# Altium PCB Proyecto0.PcbDoc (part 1 of 5) (continued)
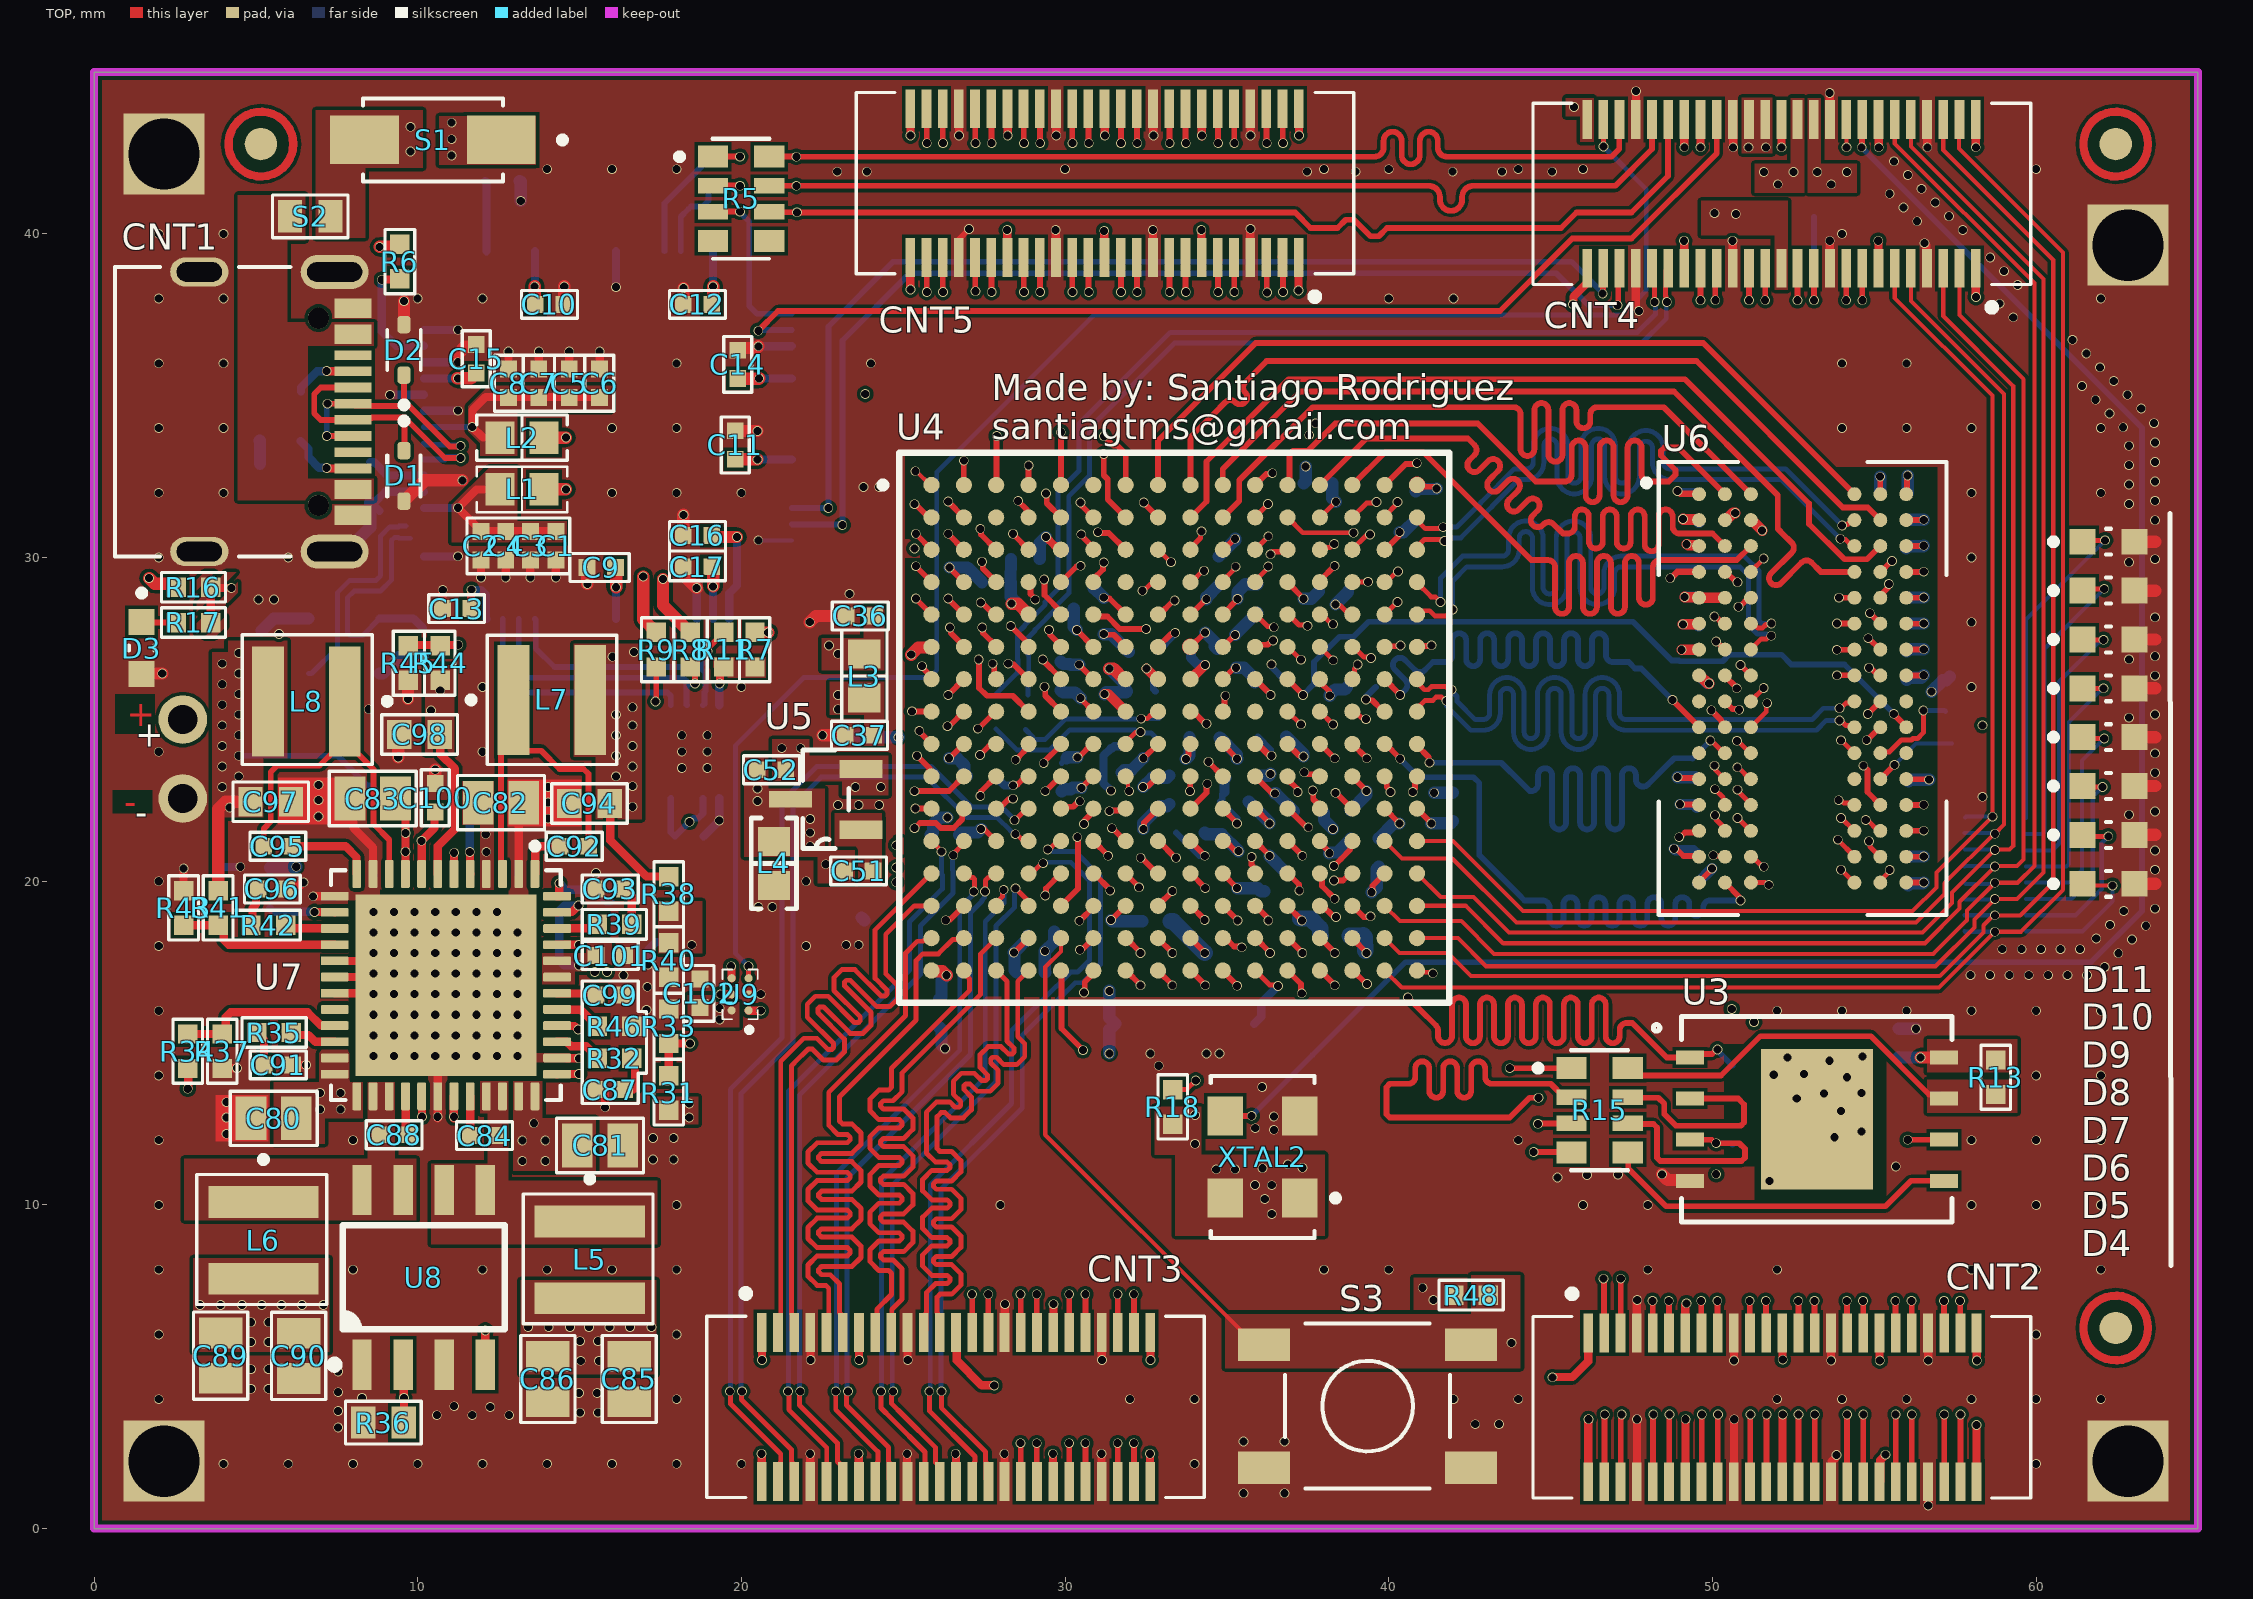
[diagram p0: TOP view]
## Footprints (in the part's own frame and the unit in brackets; to place one, negate y for a bottom-side part, rotate by r counter-clockwise, add the part's x,y. Pads: shape width x height; smd on the part's side, far side on the other; paste and mask are expansions set on the pad) (continued)
  silkscreen extent -1.16,-0.54 0.77,0.55, body extent -0.75,-0.5 0.75,0.5, height 0.54
"USB-C 2.0 24 PINS (16+8 DUMMY)" [mm]
  rect 0.6x1.14 smd: A1_B12(-3.2,4.75) A4_B9(-2.4,4.75) B1_A12(3.2,4.75) B4_A9(2.4,4.75)
  rect 0.3x1.14 smd: A5(-1.25,4.75) A6(-0.25,4.75) A7(0.25,4.75) A8(1.25,4.75) B5(1.75,4.75) B6(0.75,4.75) B7(-0.75,4.75) B8(-1.75,4.75)
  oval 1.05x2.1 hole 0.6 slot 1.7 at 90 deg: SH1(-4.32,4.18) SH2(4.32,4.18)
  oval 0.9x1.8 hole 0.6 slot 1.4 at 90 deg: SH3(-4.32,0) SH4(4.32,0)
  round 0.65 hole 0.65 unplated: ""(-2.89,3.68) ""(2.89,3.68)
  silkscreen extent -4.47,-2.6 4.47,2.81, body extent -4.44,-2.57 4.5,5.03, height 3.25
WSON-8 [mil]
  rect 34x17 smd paste+0 mask+0: 1(-154.5,75) 2(-154.5,25) 3(-154.5,-25) 4(-154.5,-75) 5(154.5,-75) 6(154.5,-25) 7(154.5,25) 8(154.5,75)
  rect 136x171 smd paste+0 mask+0: 9(0,0)
  silkscreen extent -199,-125 164,125, body extent -158,-118 158,118, height 30
XTAL_ABM8G [mm] "XTAL"
  rect 1.4x1.2 smd: 1(-1.1,0.85) 2(-1.1,-0.85) 2(1.1,0.85) 3(1.1,-0.85)
  silkscreen extent -1.2,-1.25 0.08,2.3, body extent -1.63,-1.27 1.57,1.23, height 1
XTAL_ASFLMB [mm]
  rect 1.2x1.1 smd: 1(1.27,1.15) 2(-1.27,1.15) 3(-1.27,-1.15) 4(1.27,-1.15)
  silkscreen extent -2.5,-1.6 2.5,2.35, body extent -2.47,-1.57 2.53,1.63, height 0.86

## Part data
C1 C2 C5 C6 C13 C20 C22 C23 C24 C28 C29 C30 C31 C37 C39 C40 C41 C42 C46 C47 C48 C55 C56 C57 C61 C63 C64 C65 C69 C70 C71 C72 C73 C74 C75 C76 C77: library part C0402C474K8RAC, "CAP CER 0.47uF 10V X7R 0402 10%", Manufacturer=Kemet, PartNumber=C0603C474K4RAC, Tolerance=10%, Voltage="10 V", ComponentLink1Description=DataSheet, ComponentLink1URL=https://content.kemet.com/datasheets/KEM_C1002_X7R_SMD.pdf, ComponentLink2Description=DigiKey, ComponentLink2URL=https://www.digikey.com/en/products/filter/ceramic-capacitors/60?s=N4IgTCBcDaIMIAYAsCxyQdiQaQBwCUBBOEAXQF8g, ComponentLink3Description=ProductPage, ComponentLink3URL=https://www.kemet.com/en/us/product/C0805C474K4RACTU.html, Size=0402
C3 C4 C7 C8 C25 C26 C32 C33 C36 C43 C44 C49 C58 C59 C66 C67: library part C0402C475M9PAC, "CAP CER 4.7uF 6.3V X5R 0402 10%", Manufacturer=Kemet, Tolerance=10%, Voltage=16V, ComponentLink1Description=DataSheet, ComponentLink1URL=https://content.kemet.com/datasheets/KEM_C1002_X7R_SMD.pdf, ComponentLink2Description=DigiKey, ComponentLink2URL=https://www.digikey.com/en/products/filter/ceramic-capacitors/60?s=N4IgTCBcDaIMIAYAsCxyQdgKwFsCcADgIYDGIAugL5A, ComponentLink3Description=ProdructPage, ComponentLink3URL=https://www.kemet.com/en/us/search.html?q=C0402C475M9PAC, PartNumber=C0402C475M9PAC, Size=0402
C9 C10 C11 C12 C14 C15 C17 C21 C38 C51 C53 C84 C88 C92 C95 C102: library part C0402C104K4RAC, "CAP CER 0.1uF 16V X7R 0402 10%", Manufacturer=Kemet, Tolerance=10%, Voltage=16V, ComponentLink1Description=DataSheet, ComponentLink1URL=https://content.kemet.com/datasheets/KEM_C1002_X7R_SMD.pdf, ComponentLink2Description=DigiKey, ComponentLink2URL=https://www.digikey.com/en/products/filter/ceramic-capacitors/60?s=N4IgTCBcDaIMIAYAsCxwIzINJIEoEE4QBdAXyA, PartNumber=C0402C104K4RAC, Size=0402
C16: library part C0402C332K5RAC, "CAP CER 3.3nF 50V X7R 0402 10%", Manufacturer=Kemet, Tolerance=10%, Voltage=50V, ComponentLink1Description=DataSheet, ComponentLink1URL=https://content.kemet.com/datasheets/KEM_C1002_X7R_SMD.pdf, ComponentLink2Description=DigiKey, ComponentLink2URL=https://www.digikey.com/en/products/filter/ceramic-capacitors/60?s=N4IgTCBcDaIMIAYAsCxwMzrAaQKwCUBBOEAXQF8g, PartNumber=C0402C332K5RAC, Size=0402
C18 C19: library part C0402C270K5RAC, "CAP CER 27pF 50V X7R 0402 10%", Manufacturer=Kemet, Tolerance=10%, Voltage=50V, ComponentLink1Description=DataSheet, ComponentLink1URL=https://content.kemet.com/datasheets/KEM_C1002_X7R_SMD.pdf, ComponentLink2Description=DigiKey, ComponentLink2URL=https://www.digikey.com/en/products/detail/kemet/C0402C270K5RACTU/18167653?s=N4IgTCBcDaIMIAYAsCxzAdgQaQKwCUBBOEAXQF8g, PartNumber=C0402C270K5RAC, Size=0402
C27 C34 C35 C45 C50 C62 C68 C85 C86 C89 C90: library part CL21A476MQYNNNE, "CAP CER 47uF 6.3V X5R 0805 20%", Manufacturer=Samsung, Tolerance=20%, Voltage=6.3V, ComponentLink1Description=DataSheet, ComponentLink1URL=https://mm.digikey.com/Volume0/opasdata/d220001/medias/docus/658/CL21A476MQYNNNE_Spec.pdf, ComponentLink2Description=DigiKey, ComponentLink2URL=https://www.digikey.com/en/products/detail/samsung-electro-mechanics/CL21A476MQYNNNE/3887510, PartNumber=CL21A476MQYNNNE, Size=0805
C52: library part C0402C106M9PAC, "CAP CER 10uF 6.3V X5R 0402 10%", Manufacturer=Kemet, Tolerance=10%, Voltage=6.3V, ComponentLink1Description=DataSheet, ComponentLink1URL=https://content.kemet.com/datasheets/KEM_C1006_X5R_SMD.pdf, ComponentLink2Description=DigiKey, ComponentLink2URL=https://www.digikey.com/en/products/filter/ceramic-capacitors/60?s=N4IgTCBcDaIMIAYAsCxwIwIGwFkCcACgIJwgC6AvkA, PartNumber=C0402C106M9PAC, Size=0402
C54: library part C0402C102K4RAC, "CAP CER 1nF 16V X7R 0402 10%", Manufacturer=Kemet, Tolerance=10%, Voltage=16V, ComponentLink1Description=DataSheet, ComponentLink1URL=https://content.kemet.com/datasheets/KEM_C1002_X7R_SMD.pdf, ComponentLink2Description=DigiKey, ComponentLink2URL=https://www.digikey.com/en/products/filter/ceramic-capacitors/60?s=N4IgTCBcDaIMIAYAsCxwIyoNJIEoEE4QBdAXyA, PartNumber=C0402C102K4RAC, Size=0402
C60: library part C1206C107M9PAC, "CAP CER 100uF 6.3V X5R 1206 20%", Manufacturer=Kemet, Tolerance=20%, Voltage=6.3V, ComponentLink1Description=DataSheet, ComponentLink1URL=https://www.digikey.com/en/products/detail/kemet/C1206C107M9PAC7210/12700784, ComponentLink2Description=DigiKey, ComponentLink2URL=https://www.digikey.com/en/products/detail/kemet/C1206C107M9PAC7210/12700784, PartNumber=C1206C107M9PAC, Size=1206
C78 C99 C100 C101: library part C0402C105K4RAC, "CAP CER 1uF 16V X7R 0402 10%", Manufacturer=Kemet, Tolerance=10%, Voltage=16V, ComponentLink1Description=DataSheet, ComponentLink1URL=https://content.kemet.com/datasheets/KEM_C1002_X7R_SMD.pdf, ComponentLink2Description=DigiKey, ComponentLink2URL=https://www.digikey.com/en/products/detail/kemet/C0402C105K4RAC7867/22058709?s=N4IgTCBcDaIMIAYAsCxwIwIKwGkkCUBBOEAXQF8g, PartNumber=C0402C105K4RAC, Size=0402
C79: library part C0402C103K4RAC, "CAP CER 10nF 16V X7R 0402 10%", Manufacturer=Kemet, Tolerance=10%, Voltage=16V, ComponentLink1Description=DataSheet, ComponentLink1URL=https://content.kemet.com/datasheets/KEM_C1002_X7R_SMD.pdf, ComponentLink2Description=DigiKey, ComponentLink2URL=https://www.digikey.com/en/products/filter/ceramic-capacitors/60?s=N4IgTCBcDaIMIAYAsCxwIwIMwGkkCUBBOEAXQF8g, PartNumber=C0402C103K4RAC, Size=0402
C80 C81 C82 C83: library part C0805C106M3PACTU, "CAP CER 10UF 25V X5R 0805 10%", Manufacturer=Kemet, Tolerance=10%, Voltage=25V, ComponentLink1Description=DataSheet, ComponentLink1URL=https://content.kemet.com/datasheets/KEM_C1006_X5R_SMD.pdf, ComponentLink2Description=DigiKey, ComponentLink2URL=https://www.digikey.com/en/products/detail/kemet/C0805C106M3PACTU/5267534, PartNumber=C0805C106M3PACTU, Size=0805
C87 C91 C93 C96: library part C0402C272K5RAC, "CAP CER 2.7nF 50V X7R 0402 10%", Manufacturer=Kemet, Tolerance=10%, Voltage=50V, ComponentLink1Description=DataSheet, ComponentLink1URL=https://content.kemet.com/datasheets/KEM_C1002_X7R_SMD.pdf, ComponentLink2Description=DigiKey, ComponentLink2URL=https://www.digikey.com/en/products/filter/ceramic-capacitors/60?s=N4IgTCBcDaIMIAYAsCxzAdjAaQKwCUBBOEAXQF8g, PartNumber=C0402C272K5RAC, Size=0402
C94 C97: library part GRM188R60J226MEA0D, "CAP CER 22UF 6.3V X5R 0603", Manufacturer=Murata, Voltage=6.3V, ComponentLink1Description=DataSheet, ComponentLink1URL=https://search.murata.co.jp/Ceramy/image/img/A01X/G101/ENG/GRM188R60J226MEA0-01.pdf, ComponentLink2Description=DigiKey, ComponentLink2URL=https://www.digikey.com/en/products/detail/murata-electronics/GRM188R60J226MEA0D/4280542, PartNumber=GRM188R60J226MEA0D, Size=0603
C98: library part C0603C106M9PAC, "CAP CER 10uF 6.3V X5R 0603 10%", Manufacturer=Kemet, Tolerance=10%, Voltage=6.3V, ComponentLink1Description=DataSheet, ComponentLink1URL=https://content.kemet.com/datasheets/KEM_C1006_X5R_SMD.pdf, ComponentLink2Description=DigiKey, ComponentLink2URL=https://www.digikey.com/en/products/detail/kemet/C0603C106M9PAC7867/1950664, PartNumber=C0603C106M9PAC, Size=0603
CNT1: "CONN USB2.0, TYP C, 24 PINS (16+8 DUMMY), SMD, RIGHT ANGLE", Manufacturer=Amphenol, PartNumber=12402012E212A, ComponentLink1Description=DigiKey, ComponentLink1URL=https://www.digikey.com/en/products/detail/amphenol-cs-commercial-products/12402012E212A/13683192, ComponentLink2Description=DataSheet, ComponentLink2URL=https://mm.digikey.com/Volume0/opasdata/d220001/medias/docus/2614/C12402012-4.pdf, Pins="24 (16+8 DUMMY)", Type="C 2.0"
CNT2 CNT3 CNT4 CNT5: "CONN RCPT 50POS SMD GOLD", Manufacturer=Molex, PartNumber=0528850574, ComponentLink1Description=DigiKey, ComponentLink1URL=https://www.digikey.com/es/products/detail/molex/0528850574/3197085?s=N4IgTCBcDaIAQFYwA5kIAwIOwBYQF0BfIA, ComponentLink2Description=DataSheet, ComponentLink2URL=https://www.molex.com/en-us/products/part-detail/528850574?display=pdf, Gender=Female, PinCount=50
D1 D2: "0.9pF 3.6V ±30kV ESD protection diode with 6.8V 16A TLP clamping for USB 2.0", Manufacturer="Texas Instruments", Package=SOD-523, ComponentLink1Description=ProductPage, ComponentLink1URL=https://www.ti.com/product/ESD321, ComponentLink2Description=DataSheet, ComponentLink2URL=https://www.ti.com/lit/ds/symlink/esd321.pdf?ts=1717079562669&ref_url=https%253A%252F%252Fwww.ti.com%252Fproduct%252FESD321%253FkeyMatch%253DESD321%2526tisearch%253Dsearch-everything%2526usecase%253DGPN-ALT, ComponentLink3Description=DigyKey, ComponentLink3URL=https://www.digikey.com/en/products/detail/texas-instruments/ESD321DYAR/17394968, PartNumber=ESD321
D3 D4 D5 D6 D7 D8 D9 D10 D11: library part LED_BLUE_0603, "LED blue diffused 0603 SMD", Colour=Blue, Manufacturer="Würth Elektronik", PartNumber=150060BS55040, ComponentLink1Description=DataSheet, ComponentLink1URL=https://www.we-online.com/components/products/datasheet/150060BS55040.pdf, ComponentLink2Description=DigiKey, ComponentLink2URL=https://www.digikey.com/es/products/detail/w%C3%BCrth-elektronik/150060BS55040/8557178?s=N4IgTCBcDaIDoBcCMBWADGgbGgQgZRXQBY0QBdAXyA, Size=0603
L1 L2 L3 L4: "FERRITE BEAD, 650 OHM, 0603, 1LN, 0603", Current="300 mA", Manufacturer="Laird-Signal Integrity Products", ComponentLink1Description=DataSheet, ComponentLink1URL=https://www.laird.com/sites/default/files/hz0603c651r-10-datasheet.pdf, ComponentLink2Description=DigiKey, ComponentLink2URL=https://www.digikey.com/es/products/detail/laird-signal-integrity-products/HZ0603C651R-10/806620?s=N4IgTCBcDaIBIC0AMA2JBmAwigrARgCUBaPJEAXQF8g, DCR="0.6 Ohm", PartNumber=HZ0603C651R-10, Size=0603, Z@100MHz="650 Ohms"
L5 L8: library part XFL4020-332ME, "FIXED IND, 3.3uH, 5.2A, 38.3mOHM, SMD", Manufacturer=Coilcraft, ComponentLink1Description=DigiKey, ComponentLink1URL=https://www.digikey.com/en/products/detail/coilcraft/XFL4020-332MEC/21381630?s=N4IgTCBcDaIBoDEAyAWADGNBaAzDiAugL5A, ComponentLink2Description=DataSheet, ComponentLink2URL=https://www.coilcraft.com/getmedia/50632d43-da1b-4cdb-8ab4-3029cab51df3/xfl4020.pdf, PartNumber=XFL4020-332ME, Size=1616
L6: library part XFL4020-152ME, "FIXED IND, 1.5uH, 9.1A, 15.8mOHM, SMD", Manufacturer=Coilcraft, ComponentLink1Description=DigiKey, ComponentLink1URL=https://www.digikey.at/en/products/detail/coilcraft/XFL4020-152MEC/21387736, ComponentLink2Description=DataSheet, ComponentLink2URL=https://www.coilcraft.com/getmedia/50632d43-da1b-4cdb-8ab4-3029cab51df3/xfl4020.pdf, PartNumber=XFL4020-152ME, Size=1616
L7: library part XAL4030-682ME, "FIXED IND, 6.8uH, 3.9A, 74.1mOHM, SMD", Manufacturer=Coilcraft, ComponentLink1Description=DigiKey, ComponentLink1URL=https://www.digikey.com/en/products/detail/coilcraft/XAL4030-682MEC/21381592, ComponentLink2Description=DataSheet, ComponentLink2URL=https://www.coilcraft.com/en-us/files/datasheet/XAL40xx, PartNumber=XAL4030-682ME, Size=1616
R1 R4: library part CRCW06035K10FK, "RES SMD 5.1K OHM 1% 1/10W 0603", Manufacturer=Vishay, Power=0.1W, Tolerance=1%, ComponentLink1Description=DataSheet, ComponentLink1URL=https://www.vishay.com/docs/20035/dcrcwe3.pdf, ComponentLink2Description=DigiKey, ComponentLink2URL=https://www.digikey.com/es/products/detail/vishay-dale/crcw06035k10fkea/1174748, PartNumber=CRCW06035K10FK, Size=0603
R2 R12 R13 R14 R18 R19: library part CRCW04024K70FK, "RES SMD 4.7K OHM 1% 0.063W 0402", Manufacturer=Vishay, Power="0.063 W", Tolerance=1%, ComponentLink1Description=DataSheet, ComponentLink1URL=https://www.vishay.com/docs/20035/dcrcwe3.pdf, ComponentLink2Description=DigiKey, ComponentLink2URL=https://www.digikey.com/es/products/filter/resistor-de-chip-montaje-en-superficie/52?s=N4IgTCBcDaIMICU4HUAMAWVZ0GkDsqAYjiALoC%20QA, PartNumber=CRCW04024K70FK, Size=0402
R3 R6 R7 R8 R9 R35 R37 R39 R42 R43 R48: library part CRCW040210K0FK, "RES SMD 10K OHM 1% 0.063W 0402", Manufacturer=Vishay, Power=0.063W, Tolerance=1%, ComponentLink1Description=DataSheet, ComponentLink1URL=https://www.vishay.com/docs/20035/dcrcwe3.pdf, ComponentLink2Description=DigiKey, ComponentLink2URL=https://www.digikey.com/en/products/filter/chip-resistor-surface-mount/52?s=N4IgTCBcDaIMICU4HUAMAWVYCMqDSqAYniALoC%20QA, PartNumber=CRCW040210K0FK, Size=0402
R5 R15: library part EXB-38V101JV, "RES ARRAY 4 RES 100 OHM 1206", Manufacturer=Panasonic, ComponentLink1Description=DigiKey, ComponentLink1URL=https://www.digikey.com/en/products/detail/panasonic-electronic-components/EXB-38V101JV/256519?s=N4IgTCBcDaIKIA0BCBaAzADgGoEYAMOAUliALoC%2BQA, ComponentLink2Description=DataSheet, ComponentLink2URL=https://industrial.panasonic.com/cdbs/www-data/pdf/AOC0000/AOC0000C14.pdf, Elements=4, PartNumber=EXB-38V101JV, Size=1206
R10: library part CRCW060312K0FK, "RES SMD 12K OHM 1% 1/10W 0603", Manufacturer=Vishay, Power=0.1W, Tolerance=1%, ComponentLink1Description=DataSheet, ComponentLink1URL=https://www.vishay.com/docs/20035/dcrcwe3.pdf, ComponentLink2Description=DigiKey, ComponentLink2URL=https://www.digikey.com/en/products/detail/vishay-dale/CRCW060312K0FKEA/1174790, PartNumber=CRCW060312K0FK, Size=0603
R11: library part CRCW04022K00FK, "RES SMD 2K OHM 1% 0.063W 0402", Manufacturer=Vishay, Power=0.063W, Tolerance=1%, ComponentLink1Description=DataSheet, ComponentLink1URL=https://www.vishay.com/docs/20035/dcrcwe3.pdf, ComponentLink2Description=DigiKey, ComponentLink2URL=https://www.digikey.com/en/products/filter/chip-resistor-surface-mount/52?s=N4IgTCBcDaIMYCc4HcAMAWVYwGtWoDMcQBdAXyA, PartNumber=CRCW04022K00FK, Size=0402
R16: library part CRCW0402200RFK, "RES SMD 200 OHM 1% 0.063W 0402", Manufacturer=Vishay, Power=0.063W, Tolerance=1%, ComponentLink1Description=DataSheet, ComponentLink1URL=https://www.vishay.com/docs/20035/dcrcwe3.pdf, ComponentLink2Description=DigiKey, ComponentLink2URL=https://www.digikey.com/es/products/filter/resistor-de-chip-montaje-en-superficie/52?s=N4IgTCBcDaIMICU4HUAMAWVYytQgYgNIgC6AvkA, PartNumber=CRCW0402200RFK, Size=0402
R17: library part CRCW0402165RFK, "RES SMD 165 OHM 1% 0.063W 0402", Manufacturer=Vishay, Power=0.063W, Tolerance=1%, ComponentLink1Description=DataSheet, ComponentLink1URL=https://www.vishay.com/docs/20035/dcrcwe3.pdf, ComponentLink2Description=DigiKey, ComponentLink2URL=https://www.digikey.com/es/products/filter/resistor-de-chip-montaje-en-superficie/52?s=N4IgTCBcDaIMICU4HUAMAWVYCMA2ArAgGIDSIAugL5A, PartNumber=CRCW0402165RFK, Size=0402
R20 R21: library part CRCW040278R7FK, "RES SMD 78.7 OHM 1% 0.063W 0402", Manufacturer=Vishay, Power=0.063W, Tolerance=1%, ComponentLink1Description=DataSheet, ComponentLink1URL=https://www.vishay.com/docs/20035/dcrcwe3.pdf, ComponentLink2Description=DigiKey, ComponentLink2URL=https://www.digikey.com/en/products/filter/chip-resistor-surface-mount/52?s=N4IgTCBcDaIMICU4HUAMAWVYDsAOB2AYgNIgC6AvkA, PartNumber=CRCW040278R7FK, Size=0402
R22 R23: library part CRCW04021K00FK, "RES SMD 1K OHM 1% 0.063W 0402", Manufacturer=Vishay, Power=0.063W, Tolerance=1%, ComponentLink1Description=DigiKey, ComponentLink1URL=https://www.digikey.com/en/products/filter/chip-resistor-surface-mount/52?s=N4IgTCBcDaIMICU4HUAMAWVYCMBpVqAYriALoC%20QA, ComponentLink2Description=DataSheet, ComponentLink2URL=https://www.vishay.com/docs/20035/dcrcwe3.pdf, PartNumber=CRCW04021K00FK, Size=0402
R24: library part CRCW0402240RFK, "RES SMD 240 OHM 1% 1/10W 0402", Manufacturer=Vishay, PartNumber=CRCW0402240RFKEA, Power=0.063W, Tolerance=1%, ComponentLink1Description=DataSheet, ComponentLink1URL=https://www.vishay.com/docs/20035/dcrcwe3.pdf, ComponentLink2Description=DigiKey, ComponentLink2URL=https://www.digikey.com/en/products/detail/vishay-dale/CRCW0603240RFKEA/1174595, Size=0402
R25: library part CRCW06036K65FK, "RES SMD 6.65K OHM 1% 1/10W 0603", Manufacturer=Vishay, Power=0.1W, Tolerance=1%, ComponentLink1Description=DataSheet, ComponentLink1URL=https://www.vishay.com/docs/20035/dcrcwe3.pdf, ComponentLink2Description=DigiKey, ComponentLink2URL=https://www.digikey.com/en/products/detail/vishay-dale/CRCW06036K65FKEA/1174762, PartNumber=CRCW06036K65FK, Size=0603
R26: library part CRCW06031K00FK, "RES SMD 1K OHM 1% 1/10W 0603", Manufacturer=Vishay, Power=0.1W, Tolerance=1%, ComponentLink1Description=DigiKey, ComponentLink1URL=https://www.digikey.com/es/products/detail/vishay-dale/CRCW06031K00FKEA/1174668, ComponentLink2Description=DataSheet, ComponentLink2URL=https://www.vishay.com/docs/20035/dcrcwe3.pdf, PartNumber=CRCW06031K00FK, Size=0603
R27: library part CRCW06039K31FK, "RES SMD 9.31K OHM 1% 1/10W 0603", Manufacturer=Vishay, Power=0.1W, Tolerance=1%, ComponentLink1Description=DataSheet, ComponentLink1URL=https://www.vishay.com/docs/20035/dcrcwe3.pdf, ComponentLink2Description=DigiKey, ComponentLink2URL=https://www.digikey.com/es/products/detail/vishay-dale/CRCW06039K31FKEA/1174779, PartNumber=CRCW06039K31FK, Size=0603
R28: library part CRCW060312K7FK, "RES SMD 12.7K OHM 1% 1/10W 0603", Manufacturer=Vishay, Power=0.1W, Tolerance=1%, ComponentLink1Description=DataSheet, ComponentLink1URL=https://www.vishay.com/docs/20035/dcrcwe3.pdf, ComponentLink2Description=DigiKey, ComponentLink2URL=https://www.digikey.com/en/products/detail/vishay-dale/CRCW060312K7FKEA/1174793, PartNumber=CRCW060312K7FK, Size=0603
R29 R30: library part CRCW060310K0FK, "RES SMD 10K OHM 1% 1/10W 0603", Manufacturer=Vishay, Power=0.1W, Tolerance=1%, ComponentLink1Description=DataSheet, ComponentLink1URL=https://www.vishay.com/docs/20035/dcrcwe3.pdf, ComponentLink2Description=DigiKey, ComponentLink2URL=https://www.digikey.com/en/products/detail/vishay-dale/CRCW060310K0FKEA/1174782, PartNumber=CRCW060310K0FK, Size=0603
R31 R46: library part CRCW040231K6FK, "RES SMD 31.6K OHM 1% 0.063W 0402", Manufacturer=Vishay, Power=0.063W, Tolerance=1%, ComponentLink1Description=DataSheet, ComponentLink1URL=https://www.vishay.com/docs/20035/dcrcwe3.pdf, ComponentLink2Description=DigiKey, ComponentLink2URL=https://www.digikey.com/en/products/filter/chip-resistor-surface-mount/52?s=N4IgTCBcDaIMICU4HUAMAWVYDMBGA0gGwBi%20IAugL5A, PartNumber=CRCW040231K6FK, Size=0402
R32: library part CRCW040215K0FK, "RES SMD 15K OHM 1% 0.063W 0402", Manufacturer=Vishay, Power=0.063W, Tolerance=1%, ComponentLink1Description=DataSheet, ComponentLink1URL=https://www.vishay.com/docs/20035/dcrcwe3.pdf, ComponentLink2Description=DigiKey, ComponentLink2URL=https://www.digikey.com/en/products/filter/chip-resistor-surface-mount/52?s=N4IgTCBcDaIMICU4HUAMAWVYCMBWA0qgGL4gC6AvkA, PartNumber=CRCW040215K0FK, Size=0402
R33 R40: library part CRCW040210K2FK, "RES SMD 10.2K OHM 1% 0.063W 0402", Manufacturer=Vishay, Power=0.063W, Tolerance=1%, ComponentLink1Description=DataSheet, ComponentLink1URL=https://www.vishay.com/docs/20035/dcrcwe3.pdf, ComponentLink2Description=DigiKey, ComponentLink2URL=https://www.digikey.com/en/products/filter/chip-resistor-surface-mount/52?s=N4IgTCBcDaIMICU4HUAMAWVYCMqDSYAYniALoC%20QA, PartNumber=CRCW040210K2FK, Size=0402
R34: library part CRCW04022K49FK, "RES SMD 2.49K OHM 1% 0.063W 0402", Manufacturer=Vishay, Power=0.063W, Tolerance=1%, ComponentLink1Description=DataSheet, ComponentLink1URL=https://www.vishay.com/docs/20035/dcrcwe3.pdf, ComponentLink2Description=DigiKey, ComponentLink2URL=https://www.digikey.com/en/products/filter/chip-resistor-surface-mount/52?s=N4IgTCBcDaIMICU4HUAMAWVYwGl0E4AxHEAXQF8g, PartNumber=CRCW04022K49FK, Size=0402
R36: library part CRCW060347K0FK, "RES SMD 47K OHM 1% 1/10W 0603", Manufacturer=Vishay, Power=0.1W, Tolerance=1%, ComponentLink1Description=DataSheet, ComponentLink1URL=https://www.vishay.com/docs/20035/dcrcwe3.pdf, ComponentLink2Description=DigiKey, ComponentLink2URL=https://www.digikey.com/es/products/detail/vishay-dale/CRCW060347K0FKEA/1174858, PartNumber=CRCW060347K0FK, Size=0603
R38: library part CRCW040212K7FK, "RES SMD 12.7K OHM 1% 0.063W 0402", Manufacturer=Vishay, PartNumber=CRCW060312K7FK, Power=0.063W, Tolerance=1%, ComponentLink1Description=DataSheet, ComponentLink1URL=https://www.vishay.com/docs/20035/dcrcwe3.pdf, ComponentLink2Description=DigiKey, ComponentLink2URL=https://www.digikey.com/en/products/filter/chip-resistor-surface-mount/52?s=N4IgTCBcDaIMICU4HUAMAWVYCMYDSA7AGJ4gC6AvkA, Size=0402
R41: library part CRCW04026K65FK, "RES SMD 6.65K OHM 1% 0.063W 0402", Manufacturer=Vishay, Power=0.063W, Tolerance=1%, ComponentLink1Description=DataSheet, ComponentLink1URL=https://www.vishay.com/docs/20035/dcrcwe3.pdf, ComponentLink2Description=DigiKey, ComponentLink2URL=https://www.digikey.com/en/products/filter/chip-resistor-surface-mount/52?s=N4IgTCBcDaIMICU4HUAMAWVYBsBpbArAGK4gC6AvkA, PartNumber=CRCW04026K65FK, Size=0402
R44: library part CRCW04024K99FK, "RES SMD 4.99K OHM 1% 0.063W 0402", Manufacturer=Vishay, Power=0.063W, Tolerance=1%, ComponentLink1Description=DataSheet, ComponentLink1URL=https://www.vishay.com/docs/20035/dcrcwe3.pdf, ComponentLink2Description=DigiKey, ComponentLink2URL=https://www.digikey.com/en/products/filter/chip-resistor-surface-mount/52?s=N4IgTCBcDaIMICU4HUAMAWVZ0GkCceAYjiALoC%20QA, PartNumber=CRCW04024K99FK, Size=0402
R45: library part CRCW04021K91FK, "RES SMD 1.91K OHM 1% 0.063W 0402", Manufacturer=Vishay, Power=0.063W, Tolerance=1%, ComponentLink1Description=DataSheet, ComponentLink1URL=https://www.vishay.com/docs/20035/dcrcwe3.pdf, ComponentLink2Description=Digikey, ComponentLink2URL=https://www.digikey.com/en/products/filter/chip-resistor-surface-mount/52?s=N4IgTCBcDaIMICU4HUAMAWVYCMBpAnNgGK4gC6AvkA, PartNumber=CRCW04021K91FK, Size=0402
R47: library part EXB-2HV331JV, "RES ARRAY 8 RES 330 OHM 1506", Manufacturer=Panasonic, ComponentLink1Description=DigiKey, ComponentLink1URL=https://www.digikey.com/en/products/detail/panasonic-electronic-components/EXB-2HV331JV/285313?s=N4IgTCBcDaIKIA0BCBaMAJAagZmwRgClMQBdAXyA, ComponentLink2Description=DataSheet, ComponentLink2URL=https://industrial.panasonic.com/cdbs/www-data/pdf/AOC0000/AOC0000C14.pdf, Elements=8, PartNumber=EXB-2HV331JV, Size=1506
S1: "Diode schottky 40V 3A", Forward Current=3A, Forward Voltage Drop=0.63V, Manufacturer="SMC Diode Solutions", Package=SMA-2, Peak Reverse Voltage=40V, ComponentLink1Description=DigiKey, ComponentLink1URL=https://www.digikey.com/en/products/detail/smc-diode-solutions/SK34A/6022681, ComponentLink2Description=DataSheet, ComponentLink2URL=https://www.smc-diodes.com/propdf/SK34A%20N0103%20REV.C.pdf, PartNumber=SK34A
S2: "PTC resettable fuse 500mA, 8V, 0603", Manufacturer=Eaton, MaxCurrent=25A, MaxVoltage=8V, ComponentLink1Description=DataSheet, ComponentLink1URL=https://www.eaton.com/content/dam/eaton/products/electronic-components/resources/data-sheet/eaton-ptslr0603-surface-mount-resettable-fuse-data-sheet-elx1047-en.pdf, ComponentLink2Description=DigiKey, ComponentLink2URL=https://www.digikey.com/es/products/detail/eaton-electronics-division/PTSLR06038V050/15193495?s=N4IgTCBcDaIAoBUDKAZASgBgGwYMwA4A1DAVgxAF0BfIA, Ihold=500mA, Itrip=1A, PartNumber=PTSLR06038V050, Size=0603
S3: library part "PTS526 SK15 SMTR2 LFS", "SWITCH TACTILE, SPST-NO, 0.05A, 12V", Manufacturer=C&K, DataSheet=https://www.ckswitches.com/media/2780/pts526.pdf, DigiKey=https://www.digikey.com/es/products/detail/c-k/PTS526-SK15-SMTR2-LFS/10056626, PartNumber="PTS526SK15SMTR2 LFS"
U1: "Dual High Speed USB to Multipurpose UART/FIFO IC", Manufacturer="FTDI Chip", Package=LQFP-64, ComponentLink1Description=DataSheet, ComponentLink1URL=https://ftdichip.com/wp-content/uploads/2020/07/DS_FT2232H.pdf, ComponentLink2Description=DigiKey, ComponentLink2URL=https://www.digikey.com/en/products/detail/ftdi-future-technology-devices-international-ltd/FT2232HL-REEL/1986053, PartNumber=FT2232HL
U2: "2K Microwire Compatible Serial EEPROM", Manufacturer=Microchip, Package=DFN-8, PartNumber=93C56BT-I/MC, ComponentLink1Description=DataSheet, ComponentLink1URL=https://ww1.microchip.com/downloads/en/DeviceDoc/21794G.pdf, ComponentLink2Description=DigiKey, ComponentLink2URL=https://www.digikey.com/en/products/detail/microchip-technology/93C56BT-I-MC/857478?0=%2Fmemory&s=N4IgjCBcpgTAnBaIDGUBmBDANgZwKYA0IA9lANogIDM8iIAusQA4AuUIAyqwE4CWAOwDmIAL6jisCiHjUAwgFYAbACFGooA
U3: "QSPINAND 4G-BIT FLASH MEMORY WITH DUAL/QUAD SPI BUFFER READ & SEQUENTIAL READ", Manufacturer=Winbond, Package=WSON-8, ComponentLink1Description="Product Brief", ComponentLink1URL=https://www.winbond.com/hq/product/code-storage-flash-memory/qspinand-flash/?__locale=en&partNo=W25N04KV, PartNumber=W25N04KVZEIR
U4: "FPGA - 170 I/O 256FTBGA", Manufacturer="AMD - Xilinx", Package=LBGA-256, PartNumber=XC7A35T-xFTG256, ComponentLink1Description=Datasheet, ComponentLink1URL=https://docs.amd.com/v/u/en-US/ds180_7Series_Overview
U5: "Voltage Reference 1.5V", Manufacturer="Texas Instruments", Package=SOT23-3, PartNumber=REF3012AIDBZR, ComponentLink1Description=DataSheet, ComponentLink1URL=https://www.ti.com/lit/ds/symlink/ref3012.pdf?ts=1708128926119, ComponentLink2Description=DigiKey, ComponentLink2URL=https://www.digikey.com/en/products/detail/texas-instruments/REF3012AIDBZR/1573905
U6: "256M x 16 bit DDR3L Synchronous DRAM (SDRAM)", Manufacturer="Alliance Memory", Package=FBGA-96, ComponentLink1Description=DataSheet, ComponentLink1URL=https://www.alliancememory.com/wp-content/uploads/pdf/ddr3/AllianceMemory_4G_DDR3L_AS4C256M16D3LC_March2020_Rev1.0.pdf, ComponentLink2Description=DigiKey, ComponentLink2URL=https://www.digikey.com/en/products/filter/memory/memory/774?s=N4IgTCBcDaIIIGUAsBhMBWAbAWQIyYBEBmAGRRAF0BfIA, PartNumber=AS4C256M16D3LC
U7: "5-Channel Integrated Power Solution with Quad Buck Regulators and 200 mA LDO Regulator", Manufacturer="Analog Devices", Package=LFCSP-48, PartNumber=ADP5052ACPZ-R7, ComponentLink1Description=DataSheet, ComponentLink1URL=https://www.analog.com/media/en/technical-documentation/data-sheets/adp5052.pdf, ComponentLink2Description=DigiKey, ComponentLink2URL=https://www.digikey.com/en/products/detail/analog-devices-inc/ADP5052ACPZ-R7/4171709?s=N4IgTCBcDaIIIBEAKBWADCiBdAvkA
U8: "MOSFET 2N-CH 40V 6A 8SOIC", Manufacturer=Onsemi, Package=SOIC-8, ComponentLink1Description=Datahseet, ComponentLink1URL=https://www.onsemi.com/pdf/datasheet/fds8949-d.pdf, ComponentLink2Description=DigiKey, ComponentLink2URL=https://www.digikey.com/en/products/detail/onsemi/FDS8949/1217883, PartNumber=FDS8949
U9: "Power Supply Selector Switch IC for SD Cards", Manufacturer=ROHM, Package=UFBGA-6, PartNumber=BD2204GUL-E2, ComponentLink1Description=ProductPage, ComponentLink1URL=https://www.rohm.com/products/power-management/power-management-switch-ics/load-switch-ics/bd2204gul-product, ComponentLink2Description=DataSheet, ComponentLink2URL=https://fscdn.rohm.com/en/products/databook/datasheet/ic/power/power_switch/bd2204gul-e.pdf, ComponentLink3Description=DigiKey, ComponentLink3URL=https://www.digikey.com/en/products/detail/rohm-semiconductor/BD2204GUL-E2/5210337
XTAL1: library part XTAL_12MHz, "Crystal 12 MHz", Manufacturer=Abracom, PartNumber=ABM8G-16.000MHZ-B4Y-T, ComponentLink1Description=DataDheet, ComponentLink1URL=https://www.snapeda.com/parts/ABM8G-16.000MHZ-B4Y-T/Abracon/datasheet/, Frequency="12 MHz", Series=ABM8G
XTAL2: library part XTAL_100MHz, "Crystal 100 MHz", Frequency="100 MHz", Manufacturer=Abracom, ComponentLink1Description=DataSheet, ComponentLink1URL=https://www.snapeda.com/parts/ASFLMB-100.000MHZ-LC-T/Abracon/datasheet/, PartNumber=ASFLMB-100.000MHZ-LC-T

## Free pads (board coordinates)
  round 1 all layers, no hole paste+0.051 mask+0.5: F(5.156,42.774)
  round 1 all layers, no hole paste+0 mask+0.5: F(62.459,6.198) F(62.459,42.774)
  rect 2.5x2.5 hole 2.2 mask+0: H(2.159,42.469) ""(2.159,2.083) ""(62.84,2.083) ""(62.84,39.649)
  round 1.5 hole 0.9 mask+0: Supply+(2.743,22.555) Supply+(2.743,24.994)

## Via types
v1: diameter 0.3, hole 0.25, TOP to BOT, tented both sides, 1081 vias
v2: diameter 0.3, hole 0.25, TOP to BOT, 18 vias

## Nets (pads, with @x,y where several pads share a name; then routed paths per layer and width w, separated by ;. In a path a pad name is that pad's centre, name@x,y a point inside that pad or via, vN(x,y) a via of type N, cw(c..) or ccw(c..) an arc to the next point about the centre after c; other vN are vias at no path point)
0V75: C78.2 C79.2 R22.1 R23.2 U6.H1 U6.M8 | length 4.2
  TOP w0.178: U6.H1@49.582,26.361 U6.H1@49.586,26.357 ; U6.M8@55.186,23.157 v1(55.626,23.597)
  TOP w0.33: U6.H1@49.585,26.361 49.609,26.361 49.861,26.109 v1(49.898,26.109)
  BOT w0.127: C78.2@55.178,23.08 55.375,23.277 55.375,23.345 v1(55.626,23.597) 56.286,24.257 R22.1@57.404,24.257
  BOT w0.33: C79.2@49.586,26.357 49.834,26.109 v1(49.898,26.109)
12MHz_XTAL_N: C19.2 U1.2 XTAL1.3 | length 7.2
  BOT w0.152: XTAL1.3@8.821,28.116 8.297,27.592 7.916,27.592 7.827,27.681 7.827,28.757 8.036,28.966 8.849,28.966 9.186,29.303 9.186,30.528 9.276,30.617 9.402,30.617 9.423,30.596 U1.2@9.777,30.596
  BOT w0.254: XTAL1.3@8.821,28.116 9.866,28.116 C19.2@10.16,27.821
12MHz_XTAL_P: C18.2 U1.3 XTAL1.1 | length 6.6
  BOT w0.152: XTAL1.1@6.621,26.416 6.721,26.416 7.518,27.213 7.518,28.915 7.899,29.296 8.712,29.296 8.856,29.44 8.856,30.664 9.139,30.947 9.402,30.947 9.423,30.968 U1.3@9.64,30.968
100MHz: CNT4.43 U4.N11 XTAL2.3 | length 67.6
  TOP w0.178: XTAL2.3@34.95,12.751 v1(35.763,12.751) ; v1(35.763,20.752) 35.763,20.506 35.811,20.458 35.811,20.303 U4.N11@35.873,20.241 ; v1@54.61,42.667 v1@54.62,42.677 ; v1@54.62,42.672 v1@54.62,42.677 ; CNT4.43@54.63,43.536 54.62,43.525 v1@54.62,42.677
  Signal[2] w0.152: v1(35.763,12.751) v1(35.763,20.752)
  BOT w0.178: v1(35.763,12.751) 37.643,14.63 40.513,17.501 61.697,17.501 63.271,19.075 63.271,34.011 v1(54.61,42.672)